# Altium PCB OLD_DIOT_temperature_logger.PcbDoc (part 4 of 6)
Units mm, origin at the board's own origin, x right, y up, seen from the top; angles counter-clockwise.
Board outline 222.54 x 100 mm, 4 copper layers (TOP, MID1, MID2, BOT), stack 1.55 mm thick; 631 components, 598 nets, 2471 pads, 1426 vias.
Unrouted connection lines stored in the file: 306.
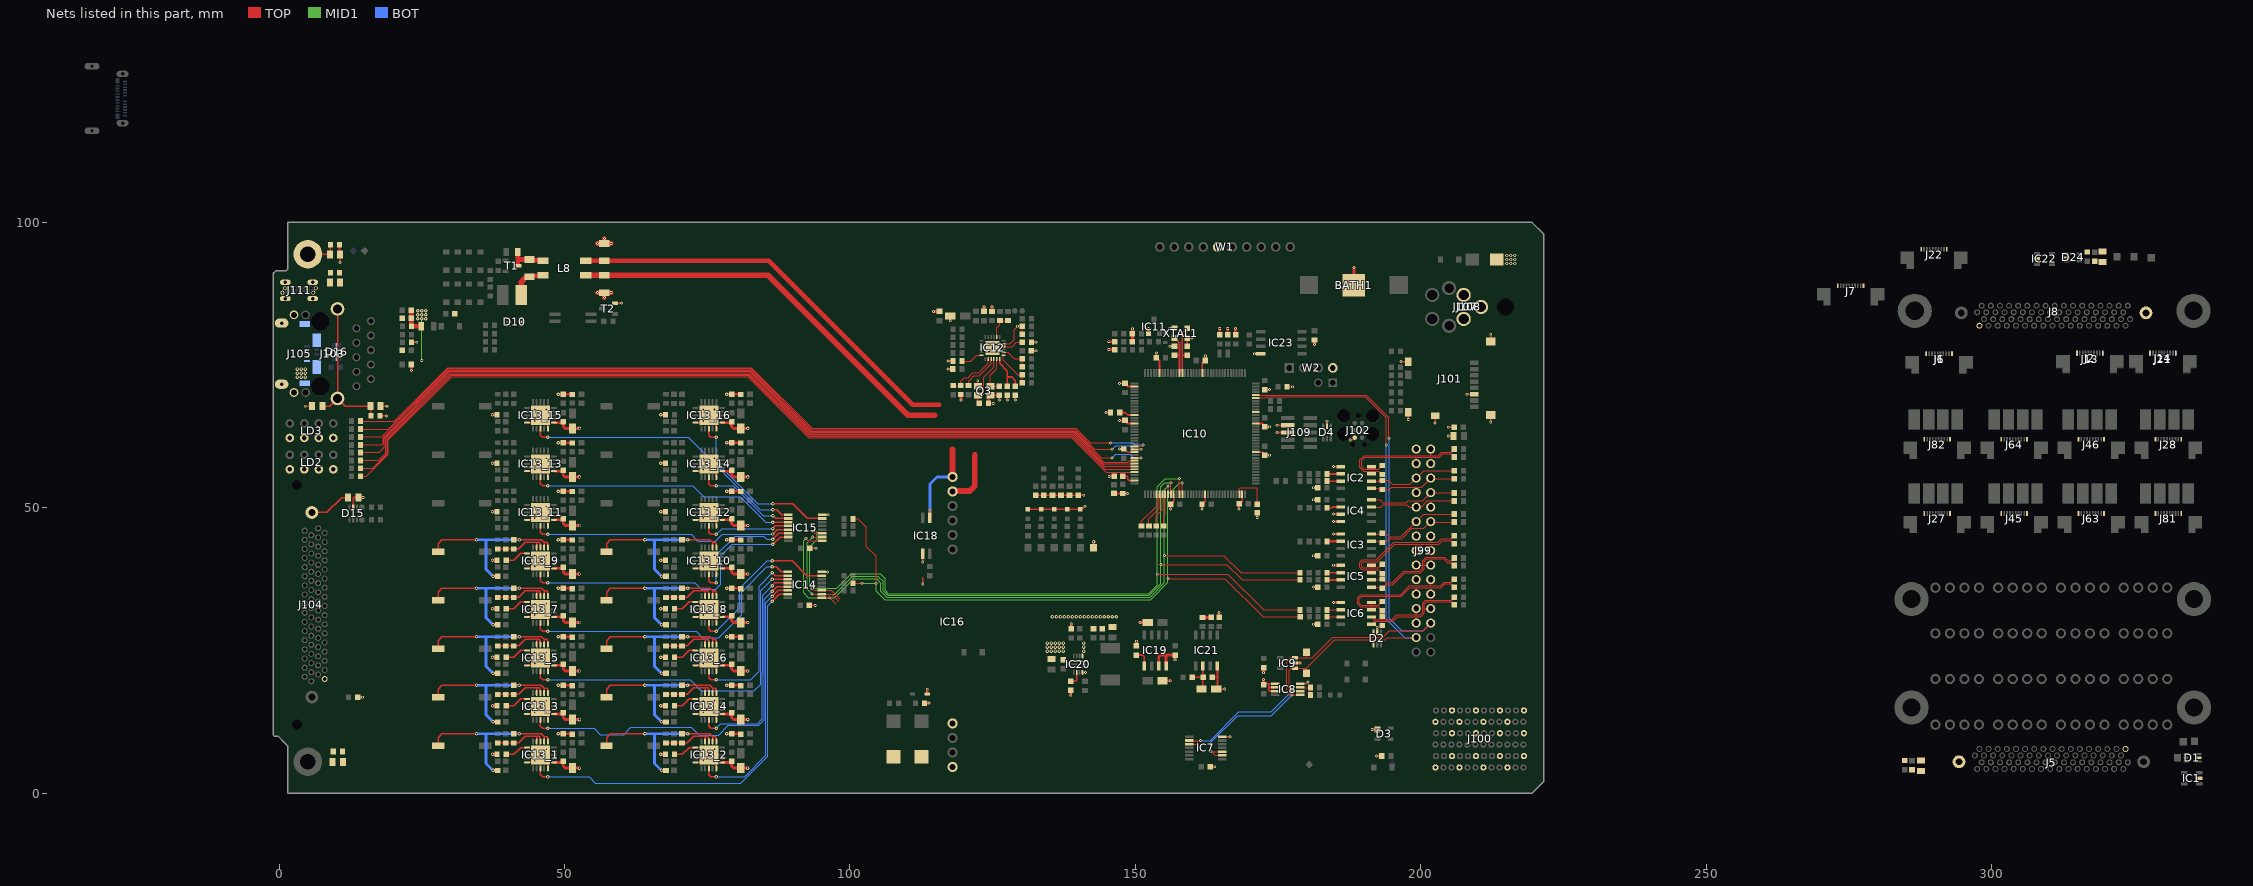
[diagram p6: the nets of this part, all layers, seen from the top]

## Via types
v1: diameter 0.5, hole 0.2, TOP to BOT, tented both sides, 687 vias
v2: diameter 0.6, hole 0.3, TOP to BOT, 286 vias
v3: diameter 0.5, hole 0.2, TOP to BOT, 256 vias
v4: diameter 0.6, hole 0.3, TOP to BOT, tented both sides, 192 vias
v5: diameter 0.66, hole 0.33, TOP to BOT, tented both sides, 5 vias

## Nets (pads, with @x,y where several pads share a name; then routed paths per layer and width w, separated by ;. In a path a pad name is that pad's centre, name@x,y a point inside that pad or via, vN(x,y) a via of type N, cw(c..) or ccw(c..) an arc to the next point about the centre after c; other vN are vias at no path point) (continued)
GND: BATH1.2 C1.1 C2.1 C3.1 C4.2 C5.2 C6.1 C7.2 C8.2 C9.1 C10.1 C11.1 C12.1 C13.1 C14.2 C15.2 C16.1 C17.2 C18.2 C19.1 C20.1 C21.1 C22.1 C23.1 C24.1 C25.1 C26.1 C27.1 C28.2 C29.1 C30.1 C31.1 C32.1 C33.1 C34.1 C35.1 C36.1 C37.1 C38.1 C39.1 C40.2 C41.1 C42.1 C43.2 C44.1 C45.1 C46.1 C47.1 C48.1 C49.1 C50.2 C51.1 C52.1 C54_1.1 C54_2.1 C54_3.1 C54_4.1 C54_5.1 C54_6.1 C54_7.1 C54_8.1 C54_9.1 C54_10.1 C54_11.1 C54_12.1 C54_13.1 C54_14.1 C54_15.1 C54_16.1 C55_1.1 C55_2.1 C55_3.1 C55_4.1 C55_5.1 C55_6.1 C55_7.1 C55_8.1 C55_9.1 C55_10.1 C55_11.1 C55_12.1 C55_13.1 C55_14.1 C55_15.1 C55_16.1 C56_1.1 C56_2.1 C56_3.1 C56_4.1 C56_5.1 C56_6.1 C56_7.1 C56_8.1 C56_9.1 C56_10.1 C56_11.1 C56_12.1 C56_13.1 C56_14.1 C56_15.1 C56_16.1 C57_1.2 C57_2.2 C57_3.2 C57_4.2 C57_5.2 C57_6.2 C57_7.2 C57_8.2 C57_9.2 C57_10.2 C57_11.2 C57_12.2 C57_13.2 C57_14.2 C57_15.2 C57_16.2 C58.2 C59.2 C60.1 C61.1 C62.1 C64.2 C65.2 C66.1 C67.1 C68.1 C69.1 C70.1 C71.1 C72.2 C73.1 C74.1 C75.2 C76.1 C77.1 C79.1 C80.2 C81.1 C82.1 C83.1 C84.1 C85.1 C86.1 C87.1 D1.2 D2.2 D3.1 D4.2 D10.2 D15.2 D16.2 D17.2 D22.2 D24.2 IC1.2 IC2.5 IC3.5 IC4.3 IC4.4 IC5.5 IC6.5 IC7.7 IC8.4 IC8.5 IC8.6 IC8.7 IC9.2 IC10.16 IC10.31 IC10.38 IC10.51 IC10.61 IC10.83 IC10.94 IC10.107 IC10.120 IC10.130 IC11.1 IC12.25 IC13_1.10 IC13_1.15 IC13_1.16 IC13_1.21 IC13_2.10 IC13_2.15 IC13_2.16 IC13_2.21 IC13_3.10 IC13_3.15 IC13_3.16 IC13_3.21 IC13_4.10 IC13_4.15 IC13_4.16 IC13_4.21 IC13_5.10 IC13_5.15 IC13_5.16 IC13_5.21 IC13_6.10 IC13_6.15 IC13_6.16 IC13_6.21 IC13_7.10 IC13_7.15 IC13_7.16 IC13_7.21 IC13_8.10 IC13_8.15 IC13_8.16 IC13_8.21 IC13_9.10 IC13_9.15 IC13_9.16 IC13_9.21 IC13_10.10 IC13_10.15 IC13_10.16 IC13_10.21 IC13_11.10 IC13_11.15 IC13_11.16 IC13_11.21 IC13_12.10 IC13_12.15 IC13_12.16 IC13_12.21 IC13_13.10 IC13_13.15 IC13_13.16 IC13_13.21 IC13_14.10 IC13_14.15 IC13_14.16 IC13_14.21 IC13_15.10 IC13_15.15 IC13_15.16 IC13_15.21 IC13_16.10 IC13_16.15 IC13_16.16 IC13_16.21 IC14.8 IC15.8 IC16.7 IC16.10 IC18.3 IC19.3 IC19.4 IC20.3 IC20.4 IC20.11 IC21.4 IC22.2 IC23.4 J1.1 J1.10 J2.1 J2.10 J5.1 J6.1 J6.10 J7.1 J7.10 J8.1 J13.1 J13.10 J14.1 J14.10 J21.1 J21.10 J22.1 J22.10 J27.1 J27.10 J28.1 J28.10 J45.1 J45.10 J46.1 J46.10 J63.1 J63.10 J64.1 J64.10 J81.1 J81.10 J82.1 J82.10 J99.1 J99.4 J99.7 J99.10 J99.13 J99.16 J99.19 J99.22 J99.25 J100.A2 J100.A4 J100.A6 J100.C1 J100.C5 J100.D2 J100.D4 J100.D6 J100.F1 J100.F5 J100.G2 J100.G4 J100.G6 J100.I1 J100.I5 J100.J2 J100.J4 J100.J6 J100.L1 J100.L5 J101.6 J101.9 J101.10 J101.11 J101.13 J101.14 J102.5 J103.L2 J103.L4 J104.1 J105.5 J105.6 J105.7 J105.8 J105.9 J105.10 J105.11 J107.1 J108.1 J108.2 J109.3 J109.5 J111.A1 J111.A12 J111.B1 J111.B12 LD2.1 LD2.3 LD2.5 LD2.7 LD3.1 LD3.3 LD3.5 LD3.7 LD4.1 LD5.1 LD6.1 LD7.1 LD8.1 Q3.2 Q3.4 R1.2 R2.2 R42.1 R46.1 R47.1 R49.1 R55.2 R56.1 R87.1 R90.1 R92.2 R94.1 R98.1 R107_1.1 R107_2.1 R107_3.1 R107_4.1 R107_5.1 R107_6.1 R107_7.1 R107_8.1 R107_9.1 R107_10.1 R107_11.1 R107_12.1 R107_13.1 R107_14.1 R107_15.1 R107_16.1 R109.1 R110.1 R111.2 R119.1 R123.1 R130.2 R139.2 T2.2 TP11.1 W1.5 W2.4 XTAL1.2 | length 352.5
  TOP w0.2: R47.1@176.6,71.2 v3(177.55,71.2) ; v3(187.675,61.875) 188.05,61.875 J102.5@188.465,62.29
  TOP w0.3: v3(4.6,67.8) C40.2@5.8,67.8 ; R109.1@10.6,96.1 10.6,94.5 C58.2@10.7,94.4 10.7,93.01 v3(10.71,93) ; D15.2@13,50.1 13,51.675 13.125,51.8 C60.1@13.9,51.8 v3(14.75,51.8) ; R111.2@13.8,16.8 v3(14.65,16.8) ; R87.1@17.7,66.1 v3(18.8,66.1) ; C50.2@17.8,67.8 v3(18.9,67.8) ; v3(23.2,74.05) C41.1@23.2,75.1 ; R119.1@23.2,79 v3(24.125,79) ; IC13_1.10@43.45,5.4 IC13_1.21@44.5,5.4 ; IC13_3.10@43.45,13.9 IC13_3.21@44.5,13.9 ; IC13_5.10@43.45,22.4 IC13_5.21@44.5,22.4 ; IC13_7.10@43.45,30.9 IC13_7.21@44.5,30.9 ; IC13_9.10@43.45,39.4 IC13_9.21@44.5,39.4 ; IC13_11.10@43.45,47.9 44.5,47.9 v2(44.8,48.2) ; IC13_13.10@43.45,56.4 IC13_13.21@44.5,56.4 ; IC13_15.10@43.45,64.9 IC13_15.21@44.5,64.9 ; v2(46.8,48.2) 47.1,47.9 IC13_11.15@47.1,46.85 ; IC13_1.15@47.1,4.35 IC13_1.21@47.1,5.4 ; IC13_3.15@47.1,12.85 IC13_3.21@47.1,13.9 ; IC13_5.15@47.1,21.35 IC13_5.21@47.1,22.4 ; IC13_7.15@47.1,29.85 IC13_7.21@47.1,30.9 ; IC13_9.15@47.1,38.35 IC13_9.21@47.1,39.4 ; IC13_13.15@47.1,55.35 IC13_13.21@47.1,56.4 ; IC13_15.15@47.1,63.85 IC13_15.21@47.1,64.9 ; T2.2@58.85,85.85 v3(59.975,85.85) ; IC13_2.10@72.95,5.4 IC13_2.21@74,5.4 ; IC13_4.10@72.95,13.9 IC13_4.21@74,13.9 ; IC13_6.10@72.95,22.4 IC13_6.21@74,22.4 ; IC13_8.10@72.95,30.9 IC13_8.21@74,30.9 ; IC13_10.10@72.95,39.4 IC13_10.21@74,39.4 ; IC13_12.10@72.95,47.9 IC13_12.21@74,47.9 ; IC13_14.10@72.95,56.4 IC13_14.21@74,56.4 ; IC13_16.10@72.95,64.9 IC13_16.21@74,64.9 ; IC13_2.15@76.6,4.35 IC13_2.21@76.6,5.4 ; IC13_4.15@76.6,12.85 IC13_4.21@76.6,13.9 ; IC13_6.15@76.6,21.35 IC13_6.21@76.6,22.4 ; IC13_8.15@76.6,29.85 IC13_8.21@76.6,30.9 ; IC13_10.15@76.6,38.35 IC13_10.21@76.6,39.4 ; IC13_12.15@76.6,46.85 IC13_12.21@76.6,47.9 ; IC13_14.15@76.6,55.35 IC13_14.21@76.6,56.4 ; IC13_16.15@76.6,63.85 IC13_16.21@76.6,64.9 ; C84.1@92.9,32.9 v3(93.95,32.9) ; C85.1@93,42.9 v3(94.05,42.9) ; IC14.8@95.05,38.775 v3(96.1,38.775) ; IC15.8@95.15,48.775 v3(96.2,48.775) ; v3(112.765,40.525) IC18.3@112.765,41.95 ; v3(112.776,36.625) 112.776,37.725 ; v1(117.225,74.3) C45.1@118.05,74.3 ; v1(117.225,75.7) R92.2@118.05,75.7 ; v3(122.4,72.25) 122.4,71.336 Q3.2@122.425,71.311 ; v3(125.125,68.3) C49.1@124.3,68.3 124.3,69.386 Q3.4@124.625,69.711 124.636,69.7 C52.1@126.2,69.7 v1(126.2,68.875) ; v1(127.6,68.875) C47.1@127.6,69.7 ; v1(129,68.875) C48.1@129,69.7 ; LD6.1@131.2,49.725 LD7.1@133.5,49.725 LD5.1@135.8,49.725 LD8.1@138.1,49.725 LD4.1@140.4,49.725 140.65,49.975 140.899,49.975 v3@141.175,50.251 ; C46.1@131.8,77.5 v1(132.625,77.5) ; R90.1@131.8,79 v1(132.625,79) ; C16.1@132.591,52.2 R56.1@134,52.2 C12.1@135.5,52.2 R46.1@137,52.2 C13.1@138.5,52.2 R49.1@140,52.2 ; R49.1@140.059,52.2 v3(140.975,52.2) ; IC20.11@140.75,21.15 v3(141.3,21.15) ; TP11.1@142.7,43 v2(142.7,44.05) ; v1(144.875,66.7) R55.2@145.7,66.7 ; v3(145.45,55.5) C23.1@146.35,55.5 ; C28.2@146.3,52.55 146.35,52.5 v3(148.675,52.5) ; v1(147.275,60.3) C33.1@148,60.3 148.1,60.3 148.65,59.75 IC10.61@149.875,59.75 ; v1(147.275,65.3) 148.1,65.3 148.65,64.75 IC10.51@149.875,64.75 ; v1(147.275,71.8) 148.1,71.8 148.65,71.25 IC10.38@149.875,71.25 ; v1(153.7,77.125) 153.7,76.4 154.25,75.85 IC10.31@154.25,73.625 ; v3(156.075,78.3) C14.2@156.9,78.3 ; v3(156.075,81.45) XTAL1.2@156.9,81.45 ; v1(156.2,49.775) C37.1@156.2,50.6 156.75,51.15 IC10.83@156.75,52.375 ; C15.2@159.1,78.3 XTAL1.2@159.1,79.75 v3(159.925,79.75) ; v1(161.7,49.775) C38.1@161.7,50.6 162.25,51.15 IC10.94@162.25,52.375 ; IC10.16@161.75,73.125 IC10.16@161.75,73.625 161.75,75.35 162.3,75.9 v1(162.3,76.625) ; C9.1@163.15,4.625 v3(163.925,4.625) ; C79.1@163.5,20.3 164.391,20.3 164.405,20.286 ; IC21.4@164.405,22.3 164.405,20.286 ; C81.1@164.7,30.8 v3(164.7,31.675) ; IC7.7@165.25,9.875 v3(166.6,9.875) ; v3(165.675,18.225) C80.2@164.2,18.225 164.405,18.43 164.405,20.286 ; v1(168.2,49.775) 168.2,50.6 168.75,51.15 IC10.107@168.75,52.375 ; IC10.120@171.125,59.75 172.35,59.75 172.9,59.2 v1(173.525,59.2) ; IC10.130@171.125,64.75 172.35,64.75 172.9,64.2 v1(173.525,64.2) ; v3(171.375,48.3) 171.375,49.125 C24.1@171.4,49.15 ; C10.1@172.675,19.175 173.385,19.175 ; C86.1@172.7,70.7 v1(173.525,70.7) ; IC8.7@174.5,17.875 174.49,17.885 173.56,17.885 173.385,18.061 173.385,18.59 ; IC8.6@174.5,18.525 173.45,18.525 173.385,18.59 ; IC8.5@174.5,19.175 173.385,19.175 ; v3(174.855,63.2) J109.5@176.75,63.2 ; v3(174.855,64.47) J109.3@176.75,64.47 ; IC8.4@178.9,19.175 179.95,19.175 v3(180.25,19.475) ; v3(181.25,29.6) C5.2@182,29.6 ; v3(181.25,36.1) C7.2@182,36.1 ; v3(181.25,41.6) C4.2@182,41.6 ; v3(181.25,51.4) C6.1@182,51.4 ; v3(181.25,53.5) C8.2@182,53.5 ; D4.2@183.6,64.3 v3@183.6,65.1 ; v3(184.725,33.425) 184.745,33.405 IC6.5@186,33.405 ; v3(184.725,39.925) 184.745,39.905 IC5.5@186,39.905 ; v3(184.725,45.425) 184.745,45.405 IC3.5@186,45.405 ; v3(184.725,47.615) 184.745,47.595 IC4.4@186,47.595 ; v3(184.725,48.885) 184.745,48.865 IC4.3@186,48.865 ; v3(184.725,57.225) 184.745,57.205 IC2.5@186,57.205 ; v3(191.525,11.15) D3.1@192.45,11.15 ; v3(192.275,6.5) R42.1@193.2,6.5 ; D2.2@192.4,28.2 v3(192.4,29) ; v3(196.575,75.6) J101.11@197.825,75.6 ; v3(197.825,65.45) J101.13@197.825,66.7 ; v3(202.55,64.875) J101.14@202.55,66.125 ; v3(204.85,62.6) C20.1@205.8,62.6 ; v3(204.85,64.1) C19.1@205.9,64.1 ; v3(208.15,69.9) J101.6@209.4,69.9 ; v3(212.3,65) J101.10@212.3,66.25 ; J101.9@212.3,79.15 v3(212.3,80.4) ; 173.385,18.59 173.385,19.175
  TOP w0.5: v4(37.4,6.8) R107_1.1@38.2,6.8 ; v4(37.4,15.3) R107_3.1@38.2,15.3 ; v4(37.4,23.8) R107_5.1@38.2,23.8 ; v4(37.4,32.3) R107_7.1@38.2,32.3 ; v4(37.4,40.8) R107_9.1@38.2,40.8 ; v4(37.4,49.3) R107_11.1@38.2,49.3 ; v4(37.4,57.8) R107_13.1@38.2,57.8 ; v4(37.4,66.3) R107_15.1@38.2,66.3 ; IC13_1.16@48.15,5.4 C56_1.1@49.8,5.4 ; IC13_3.16@48.15,13.9 C56_3.1@49.8,13.9 ; IC13_5.16@48.15,22.4 C56_5.1@49.8,22.4 ; IC13_7.16@48.15,30.9 C56_7.1@49.8,30.9 ; IC13_9.16@48.15,39.4 C56_9.1@49.8,39.4 ; IC13_11.16@48.15,47.9 C56_11.1@49.8,47.9 ; IC13_13.16@48.15,56.4 C56_13.1@49.8,56.4 ; IC13_15.16@48.15,64.9 C56_15.1@49.8,64.9 ; v4(48.925,10.4) C54_1.1@49.8,10.4 C55_1.1@51.4,10.4 ; v4(48.925,18.9) C54_3.1@49.8,18.9 C55_3.1@51.4,18.9 ; v4(48.925,27.4) C54_5.1@49.8,27.4 C55_5.1@51.4,27.4 ; v4(48.925,35.9) C54_7.1@49.8,35.9 C55_7.1@51.4,35.9 ; v4(48.925,44.4) C54_9.1@49.8,44.4 C55_9.1@51.4,44.4 ; v4(48.925,52.9) C54_11.1@49.8,52.9 C55_11.1@51.4,52.9 ; v4(48.925,61.4) C54_13.1@49.8,61.4 C55_13.1@51.4,61.4 ; v4(48.925,69.9) C54_15.1@49.8,69.9 C55_15.1@51.4,69.9 ; C56_1.1@49.8,5.575 C56_1.1@49.8,5.4 ; C56_3.1@49.8,14.075 C56_3.1@49.8,13.9 ; C56_5.1@49.8,22.575 C56_5.1@49.8,22.4 ; C56_7.1@49.8,31.075 C56_7.1@49.8,30.9 ; C56_9.1@49.8,39.575 C56_9.1@49.8,39.4 ; C56_11.1@49.8,48.075 C56_11.1@49.8,47.9 ; C56_13.1@49.8,56.575 C56_13.1@49.8,56.4 ; C56_15.1@49.8,65.075 C56_15.1@49.8,64.9 ; v4(52.625,4.4) C57_1.2@51.4,4.4 50.15,4.4 49.8,4.75 C56_1.1@49.8,5.4 ; v4(52.625,12.9) C57_3.2@51.4,12.9 50.15,12.9 49.8,13.25 C56_3.1@49.8,13.9 ; v4(52.625,21.4) C57_5.2@51.4,21.4 50.15,21.4 49.8,21.75 C56_5.1@49.8,22.4 ; v4(52.625,29.9) C57_7.2@51.4,29.9 50.15,29.9 49.8,30.25 C56_7.1@49.8,30.9 ; v4(52.625,38.4) C57_9.2@51.4,38.4 50.15,38.4 49.8,38.75 C56_9.1@49.8,39.4 ; v4(52.625,46.9) C57_11.2@51.4,46.9 50.15,46.9 49.8,47.25 C56_11.1@49.8,47.9 ; v4(52.625,55.4) C57_13.2@51.4,55.4 50.15,55.4 49.8,55.75 C56_13.1@49.8,56.4 ; v4(52.625,63.9) C57_15.2@51.4,63.9 50.15,63.9 49.8,64.25 C56_15.1@49.8,64.9 ; v4(66.9,6.8) R107_2.1@67.7,6.8 ; v4(66.9,15.3) R107_4.1@67.7,15.3 ; v4(66.9,23.8) R107_6.1@67.7,23.8 ; v4(66.9,32.3) R107_8.1@67.7,32.3 ; v4(66.9,40.8) R107_10.1@67.7,40.8 ; v4(66.9,49.3) R107_12.1@67.7,49.3 ; v4(66.9,57.8) R107_14.1@67.7,57.8 ; v4(66.9,66.3) R107_16.1@67.7,66.3 ; IC13_2.16@77.65,5.4 C56_2.1@79.3,5.4 ; IC13_4.16@77.65,13.9 C56_4.1@79.3,13.9 ; IC13_6.16@77.65,22.4 C56_6.1@79.3,22.4 ; IC13_8.16@77.65,30.9 C56_8.1@79.3,30.9 ; IC13_10.16@77.65,39.4 C56_10.1@79.3,39.4 ; IC13_12.16@77.65,47.9 C56_12.1@79.3,47.9 ; IC13_14.16@77.65,56.4 C56_14.1@79.3,56.4 ; IC13_16.16@77.65,64.9 C56_16.1@79.3,64.9 ; v4(78.425,10.4) C54_2.1@79.3,10.4 C55_2.1@80.9,10.4 ; v4(78.425,18.9) C54_4.1@79.3,18.9 C55_4.1@80.9,18.9 ; v4(78.425,27.4) C54_6.1@79.3,27.4 C55_6.1@80.9,27.4 ; v4(78.425,35.9) C54_8.1@79.3,35.9 C55_8.1@80.9,35.9 ; v4(78.425,44.4) C54_10.1@79.3,44.4 C55_10.1@80.9,44.4 ; v4(78.425,52.9) C54_12.1@79.3,52.9 C55_12.1@80.9,52.9 ; v4(78.425,61.4) C54_14.1@79.3,61.4 C55_14.1@80.9,61.4 ; v4(78.425,69.9) C54_16.1@79.3,69.9 C55_16.1@80.9,69.9 ; C56_2.1@79.3,5.575 C56_2.1@79.3,5.4 ; C56_4.1@79.3,14.075 C56_4.1@79.3,13.9 ; C56_6.1@79.3,22.575 C56_6.1@79.3,22.4 ; C56_8.1@79.3,31.075 C56_8.1@79.3,30.9 ; C56_10.1@79.3,39.575 C56_10.1@79.3,39.4 ; C56_12.1@79.3,48.075 C56_12.1@79.3,47.9 ; C56_14.1@79.3,56.575 C56_14.1@79.3,56.4 ; C56_16.1@79.3,65.075 C56_16.1@79.3,64.9 ; v4(82.125,4.4) C57_2.2@80.9,4.4 79.65,4.4 79.3,4.75 C56_2.1@79.3,5.4 ; v4(82.125,12.9) C57_4.2@80.9,12.9 79.65,12.9 79.3,13.25 C56_4.1@79.3,13.9 ; v4(82.125,21.4) C57_6.2@80.9,21.4 79.65,21.4 79.3,21.75 C56_6.1@79.3,22.4 ; v4(82.125,29.9) C57_8.2@80.9,29.9 79.65,29.9 79.3,30.25 C56_8.1@79.3,30.9 ; v4(82.125,38.4) C57_10.2@80.9,38.4 79.65,38.4 79.3,38.75 C56_10.1@79.3,39.4 ; v4(82.125,46.9) C57_12.2@80.9,46.9 79.65,46.9 79.3,47.25 C56_12.1@79.3,47.9 ; v4(82.125,55.4) C57_14.2@80.9,55.4 79.65,55.4 79.3,55.75 C56_14.1@79.3,56.4 ; v4(82.125,63.9) C57_16.2@80.9,63.9 79.65,63.9 79.3,64.25 C56_16.1@79.3,64.9 ; R123.1@113.075,15.775 v1(113.9,15.775) ; D17.2@113.575,17.375 v1(113.575,18.2) ; v1(114.675,84.4) C42.1@115.7,84.4 ; v1(117.6,82.775) C43.2@117.6,83.6 ; v1(119.45,68.9) R94.1@119.45,69.825 ; C44.1@123.5,84.4 v1(123.5,85.225) ; R98.1@124.9,84.4 v1(124.9,85.225) ; v1(138.7,17.175) C68.1@138.7,18 ; R130.2@138.8,28.8 v1(138.8,29.625) ; v1(145.375,77.7) C22.1@146.4,77.7 ; v1(145.375,79.1) C21.1@146.4,79.1 ; C26.1@149.5,79.1 C27.1@149.5,80.5 v3(149.5,81.375) ; C73.1@150.2,25.8 v1(150.2,26.625) ; v1(150.85,29.9) C75.2@152.2,29.9 ; IC11.1@152.348,80.557 v3(152.348,81.432) ; IC19.3@154.135,22.3 154.135,23.907 154.428,24.2 155.405,24.2 ; C72.2@154.8,19.7 v1(156.15,19.7) ; IC19.4@155.405,22.3 155.405,24.2 ; v1(157,23.375) C74.1@157,24.2 155.405,24.2 ; C17.2@164.8,80.3 v1(164.8,81.395) ; C18.2@166.2,80.3 v1(166.2,81.395) ; C25.1@167.6,80.3 v1(167.6,81.395) ; v1(170.905,76.995) IC23.4@172,76.995 ; C10.1@172.5,19 v3(172.5,19.9) ; v3(172.5,21.1) C11.1@172.5,22 ; IC9.2@178,22.8 v3(178.9,22.8) ; v1(181.4,78.575) C83.1@181.4,79.4 ; BATH1.2@188.3,89 v3(188.3,92.125)
  TOP w0.8: v3(55.8,87.7) C66.1@57,87.7 ; v3(55.8,96.3) C67.1@57,96.3 ; v3(57,86.825) C66.1@57,87.7 ; v3(57,97.175) C67.1@57,96.3 ; v3(58.2,87.7) C66.1@57,87.7 ; v3(58.2,96.3) C67.1@57,96.3
  other v2: 44.8,5.7 46.8,5.7 74.3,5.7 76.3,5.7 45.8,6.7 75.3,6.7 44.8,7.7 46.8,7.7 74.3,7.7 76.3,7.7 44.8,14.2 46.8,14.2 74.3,14.2 76.3,14.2 45.8,15.2 75.3,15.2 44.8,16.2 46.8,16.2 74.3,16.2 76.3,16.2 44.8,22.7 46.8,22.7 74.3,22.7 76.3,22.7 45.8,23.7 75.3,23.7 44.8,24.7 46.8,24.7 74.3,24.7 76.3,24.7 134.6,24.9 135.3,24.9 136,24.9 136.7,24.9 137.4,24.9 140.975,24.9 134.6,25.6 135.3,25.6 136,25.6 136.7,25.6 137.4,25.6 140.975,25.6 134.6,26.3 135.3,26.3 136,26.3 136.7,26.3 137.4,26.3 140.975,26.3 135.5,30.9 136.2,30.9 136.9,30.9 137.6,30.9 138.3,30.9 139,30.9 139.7,30.9 140.4,30.9 141.1,30.9 141.8,30.9 142.5,30.9 143.2,30.9 143.9,30.9 144.6,30.9 145.3,30.9 146,30.9 146.7,30.9 44.8,31.2 46.8,31.2 74.3,31.2 76.3,31.2 45.8,32.2 75.3,32.2 44.8,33.2 46.8,33.2 74.3,33.2 76.3,33.2 44.8,39.7 46.8,39.7 74.3,39.7 76.3,39.7 45.8,40.7 75.3,40.7 44.8,41.7 46.8,41.7 74.3,41.7 76.3,41.7 74.3,48.2 76.3,48.2 45.8,49.2 75.3,49.2 44.8,50.2 46.8,50.2 74.3,50.2 76.3,50.2 44.8,56.7 46.8,56.7 74.3,56.7 76.3,56.7 45.8,57.7 75.3,57.7 44.8,58.7 46.8,58.7 74.3,58.7 76.3,58.7 44.8,65.2 46.8,65.2 74.3,65.2 76.3,65.2 45.8,66.2 75.3,66.2 44.8,67.2 46.8,67.2 74.3,67.2 76.3,67.2 3.2,72.9 3.9,72.9 4.6,72.9 3.2,73.6 3.9,73.6 4.6,73.6 3.2,74.3 3.9,74.3 4.6,74.3 215.075,92.8 215.775,92.8 216.475,92.8 215.075,93.5 215.775,93.5 216.475,93.5 215.075,94.2 215.775,94.2 216.475,94.2
  other v3: 141.175,50.277 183.6,65.15
  other v5: 124.4,77.4 125.6,77.4 125,78 124.4,78.6 125.6,78.6
HWREV0: IC10.77 R50.1 | length 6.7
  TOP w0.2: R50.1@151.1,46.8 151.1,47.65 153.75,50.3 IC10.77@153.75,52.375
HWREV1: IC10.78 R51.1 | length 6.3
  TOP w0.2: R51.1@152.4,46.8 152.4,48.075 154.25,49.925 IC10.78@154.25,52.375
HWREV2: IC10.79 R52.1 | length 6
  TOP w0.2: R52.1@153.7,46.8 153.7,48.6 154.75,49.65 IC10.79@154.75,52.375
HWREV3: IC10.80 R53.1 | length 5.7
  TOP w0.2: R53.1@155,46.8 155,48.583 155.25,48.833 IC10.80@155.25,52.375
I2C1_SCL: D2.4 IC7.9 IC7.10 IC8.2 IC9.1 IC10.139 J99.27 TP5.1 | length 121.8
  TOP w0.127: IC7.10@159.45,8.575 160.7,8.575 160.921,8.796 160.921,9.225 ; IC7.9@159.45,9.225 160.921,9.225 ; v3(161.45,9.225) 160.921,9.225 ; IC10.139@171.125,69.25 172.85,69.25 173.025,69.425 190.325,69.425 193.975,65.775 v3(193.975,60.975) ; IC8.2@178.9,17.875 178.875,17.9 v3(177.483,17.9) 177.478,17.905 177.12,17.905 176.95,18.075 176.95,21.55 177.25,21.85 IC9.1@178,21.85 180,21.85 ; TP5.1@180,21 180,21.85 ; D2.4@191.75,26 191.75,26.85 ; J99.27@199.23,27.26 194.185,27.26 193.775,26.85 191.75,26.85 ; 180,21.85 185,26.85 191.75,26.85
  BOT w0.127: v3(161.45,9.225) 163.125,9.225 168.175,14.275 173.858,14.275 v3(177.483,17.9) ; v3(193.975,60.975) 193.975,30.471 197.186,27.26 J99.27@199.23,27.26
I2C1_SDA: D2.3 IC7.2 IC7.3 IC8.1 IC9.3 IC10.140 J99.26 TP4.1 | length 130
  TOP w0.127: v3(163.25,7.275) 163.779,7.275 ; IC7.2@165.25,6.625 164,6.625 163.779,6.846 163.779,7.275 ; IC7.3@165.25,7.275 163.779,7.275 ; IC10.140@171.125,69.75 190.5,69.75 194.45,65.8 v3(194.45,62.174) ; IC8.1@178.9,17.225 v3(177.483,17.225) 177,17.225 176.525,17.7 176.525,23.15 177.125,23.75 IC9.3@178,23.75 180,23.75 ; TP4.1@180,24.7 180,23.75 ; D2.3@191.75,28.2 191.75,27.35 ; J99.26@201.77,29.8 200.42,28.45 194.475,28.45 193.375,27.35 191.75,27.35 ; 180,23.75 181.025,23.75 184.625,27.35 191.75,27.35
  BOT w0.127: v3(163.25,7.275) 163.25,8.9 167.925,13.575 173.833,13.575 v3(177.483,17.225) ; v3(194.45,62.174) 194.45,30.725 196.7,28.475 200.445,28.475 J99.26@201.77,29.8
JRST: IC10.134
LED0: IC10.68 R65.1 | length 151.2
  TOP w0.127: R65.1@14.3,55.5 15.3,55.5 19.154,59.354 19.154,61.904 30.225,72.975 82.087,72.975 92.562,62.5 92.766,62.296 138.879,62.296 144.925,56.25 IC10.68@149.875,56.25
LED1: IC10.67 R67.1 | length 150.6
  TOP w0.127: R67.1@14.3,56.9 16.377,56.9 18.925,59.448 18.925,61.998 30.13,73.203 82.182,73.203 92.86,62.525 139,62.525 144.775,56.75 IC10.67@149.875,56.75
LED2: IC10.66 R68.1 | length 150
  TOP w0.127: R68.1@14.3,58.3 17.453,58.3 18.696,59.543 18.696,62.093 30.035,73.432 82.277,73.432 92.955,62.754 139.095,62.754 144.598,57.25 IC10.66@149.875,57.25
LED3: IC10.65 R71.1 | length 148.9
  TOP w0.127: R71.1@14.3,59.7 17.575,59.7 18.468,60.593 18.468,62.188 29.941,73.661 82.371,73.661 93.05,62.982 139.189,62.982 144.422,57.75 IC10.65@149.875,57.75
LED4: IC10.64 R72.1 | length 148.2
  TOP w0.127: R72.1@14.3,61 17.9,61 18.239,61.339 18.239,62.282 29.846,73.889 82.466,73.889 93.144,63.211 139.284,63.211 144.516,57.979 148.704,57.979 148.975,58.25 IC10.64@149.875,58.25
LED5: IC10.63 R73.1 | length 149.6
  TOP w0.127: R73.1@14.3,62.4 18.034,62.4 29.751,74.118 82.561,74.118 93.239,63.439 139.379,63.439 144.068,58.75 v3(145.95,58.75) ; IC10.63@149.875,58.75 v3(151,58.75)
  BOT w0.127: v3(145.95,58.75) 146.575,59.375 149.031,59.375 149.656,58.75 v3(151,58.75)
LED6: IC10.60 R75.1 | length 148.6
  TOP w0.127: R75.1@14.3,63.8 19.11,63.8 29.657,74.346 82.655,74.346 93.334,63.668 139.473,63.668 142.891,60.25 v3(145.95,60.25) ; IC10.60@149.875,60.25 v3(151,60.25)
  BOT w0.127: v3(145.95,60.25) 146.575,60.875 149.031,60.875 149.656,60.25 v3(151,60.25)
LED7: IC10.59 R76.1 | length 148.2
  TOP w0.127: R76.1@14.3,65.2 20.187,65.2 29.562,74.575 82.75,74.575 93.428,63.897 139.568,63.897 142.115,61.35 v3(145.675,61.35) ; IC10.59@149.875,60.75 151.15,60.75 v3(151.4,61)
  BOT w0.127: v3(145.675,61.35) 149.45,61.35 149.8,61 v3(151.4,61)
LEDR: IC12.2 R83.1 R94.2 | length 9
  TOP w0.2: R83.1@118.1,71.4 119.425,71.4 R94.2@119.45,71.425 119.45,72.199 120.026,72.775 120.65,72.775 121.5,73.625 122.55,73.625 124.25,75.325 IC12.2@124.25,76.1
LEDY: IC12.3 R99.1 | length 6.9
  TOP w0.2: R99.1@120.8,71.4 120.8,72.2 121.728,73.128 122.678,73.128 124.75,75.2 IC12.3@124.75,76.1
LVDS0_N: IC2.4 J99.3 R4.2 R9.2 | length 23.7
  TOP w0.152: IC2.4@191.4,57.205 191.4,56.722 ; R9.2@193.3,57.4 192.622,56.722 191.4,56.722 ; J99.3@199.23,57.74 199.23,58.846 ; R4.2@205.9,58.9 205.352,59.448 203.856,59.448 203.254,58.846 199.23,58.846 ; 191.4,56.722 190.158,56.722 189.675,57.205 189.675,58.295 190.226,58.846 199.23,58.846
LVDS0_P: IC2.3 J99.2 R3.2 R9.1 | length 24.7
  TOP w0.152: IC2.3@191.4,55.935 191.4,56.418 ; R9.1@193.3,55.8 192.682,56.418 191.4,56.418 ; J99.2@201.77,60.28 201.77,59.15 ; R3.2@205.9,60.3 205.352,59.752 203.73,59.752 203.128,59.15 201.77,59.15 ; 191.4,56.418 190.032,56.418 189.371,57.079 189.371,58.421 190.1,59.15 199.23,59.15 201.77,59.15